# Altium PCB Antenna_base.PcbDoc (part 2 of 2)
Units mil, origin at the board's own origin, x right, y up, seen from the top; angles counter-clockwise.
Board outline 3490.39 x 2465.23 mil, 2 copper layers (Top Layer, Bottom Layer); 106 components, 91 nets, 416 pads, 109 vias.
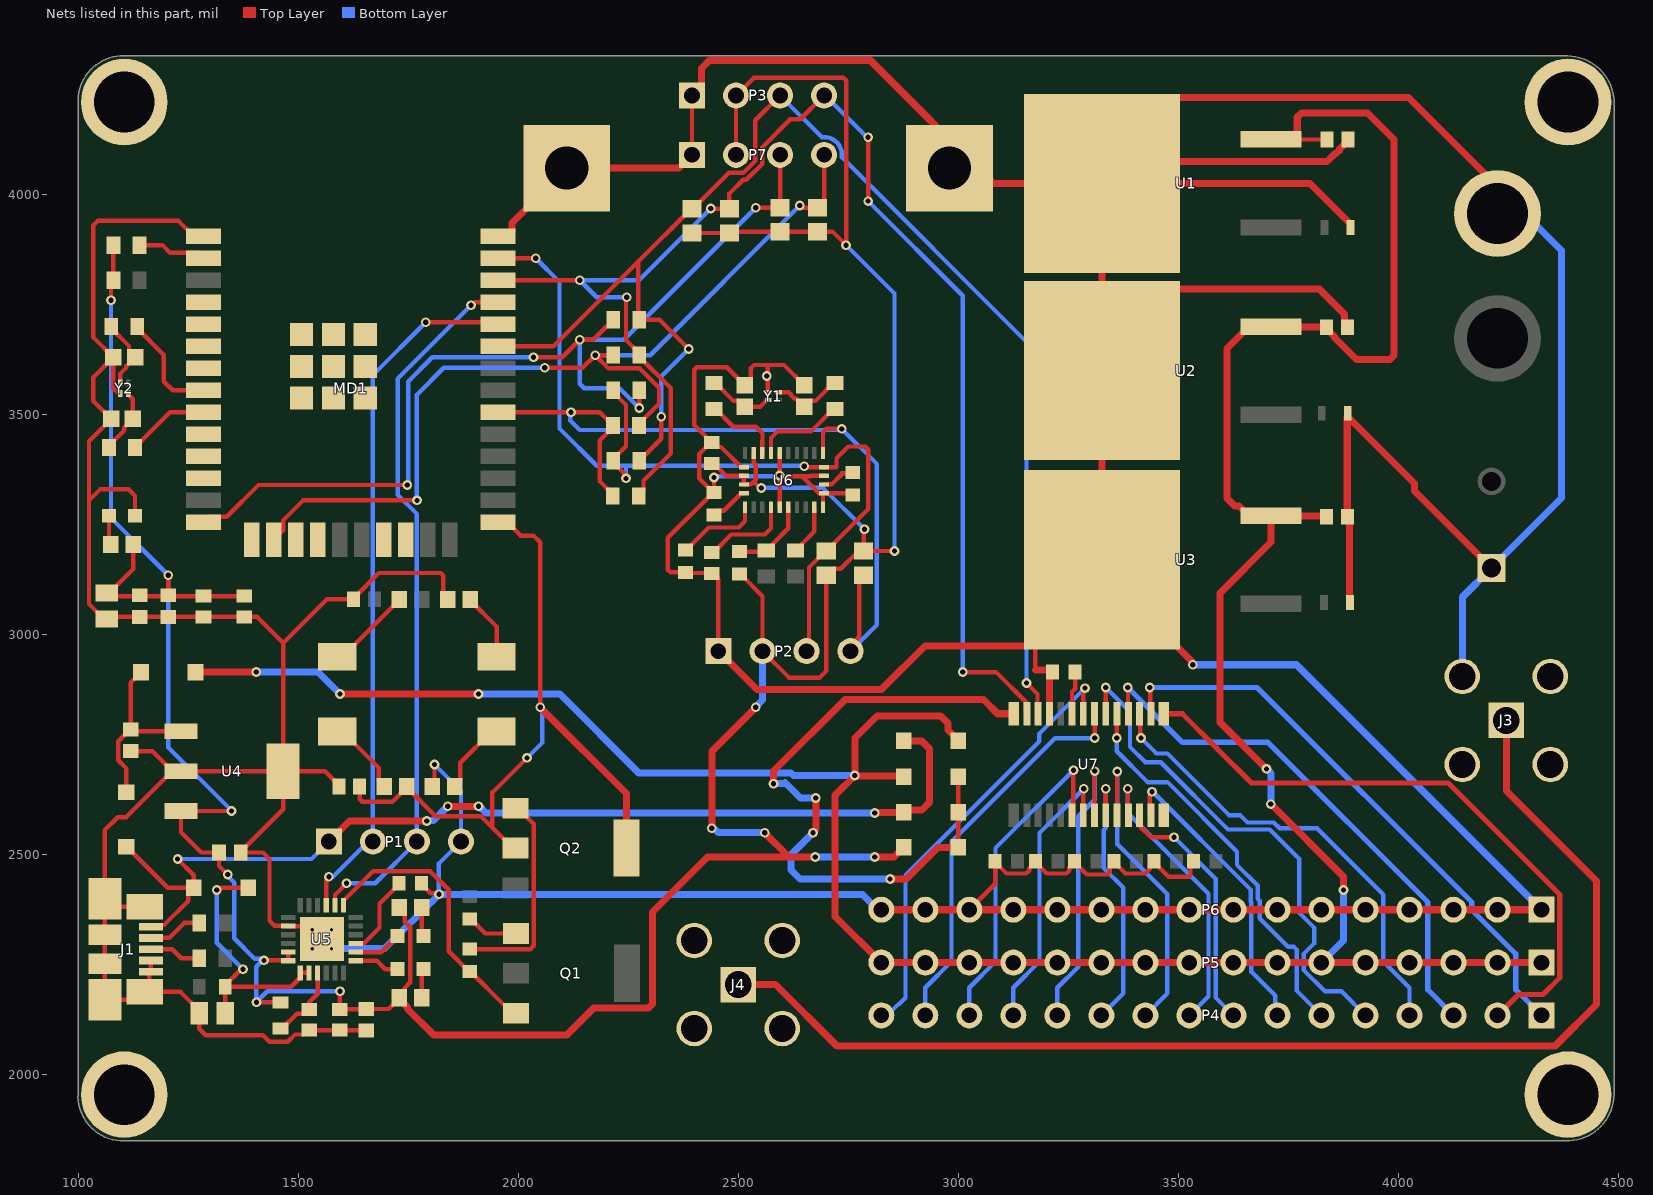
[diagram p2: the nets of this part, all layers, seen from the top]

## Via types
v1: diameter 22, hole 12, Top Layer to Bottom Layer, 105 vias
v2: diameter 19.68, hole 7.87, Top Layer to Bottom Layer, 4 vias

## Nets (pads, with @x,y where several pads share a name; then routed paths per layer and width w, separated by ;. In a path a pad name is that pad's centre, name@x,y a point inside that pad or via, vN(x,y) a via of type N, cw(c..) or ccw(c..) an arc to the next point about the centre after c; other vN are vias at no path point) (continued)
GND: C1.2 C2.1 C3.2 C4.1 C5.2 C6.1 C7.1 C8.1 C9.2 C10.2 C11.1 C12.2 C13.2 C14.2 C15.1 C16.1 C17.2 C22.1 C23.1 C24.1 C25.2 C26.2 C27.1 C28.1 C29.1 D8.1 J1.4 J1.5 J1.6 J1.7 J1.8 J1.9 J1.10 J1.11 J2.1 J3.2 J3.3 J3.4 J3.5 J4.2 J4.3 J4.4 J4.5 J5.1 MD1.1 MD1.15 MD1.38 MD1.39 P1.4 P2.1 P3.1 P6.1 P6.2 P6.3 P6.4 P6.5 P6.6 P6.7 P6.8 P6.9 P6.10 P6.11 P6.12 P6.13 P6.14 P6.15 P6.16 P7.1 pad.C1 pad.C2 pad.C3 pad.C4 pad.LED0 pad.LED1 R10.1 R11.1 R17.1 R18.1 R19.1 R24.2 R25.2 R26.2 R27.2 R28.2 R29.2 R30.2 R45.2 U1.4 U2.4 U3.4 U4.2 U4.4 U5.2 U5.25 U6.2 U6.10 U6.15 U6.16 U6.18 U6.25 U7.14 U7.25 Y1.2 Y2.2 | length 21591.5
  Top Layer w10: Y2.2@1096.14,3548.19 1096.14,3550.98 1096.06,3551.06 1088.54,3551.06 1080.14,3559.46 1080.14,3587.79 1080.31,3587.97 C27.1@1080.31,3630 ; pad.C3@1105,1955 pad.C3@1128.43,1978.43 ; C8.1@1120,2735.39 1168.78,2735.39 U4.2@1214.17,2690 ; D8.1@1129.53,3270 1129.53,3315.47 1115,3330 1050,3330 1025,3305 ; J1.6@1151.5,2382.2 1078.66,2382.2 J1.8@1060.94,2399.92 ; J1.4@1165.67,2259.67 J1.5@1165.67,2234.07 1161.81,2230.22 1161.81,2198.62 J1.7@1151.5,2188.31 ; C26.2@1285,3040 C26.2@1285,3040.43 ; MD1.1@1285,3905 1263.35,3905 1228.35,3940 1045,3940 1035,3930 1035,3675.31 C27.1@1080.31,3630 ; U5.25@1554.21,2308.23 v2(1532.56,2329.88) 1524.69,2337.76 U5.2@1477.44,2337.76 1476.54,2338.66 1446.34,2338.66 1435,2350 1435,2490 1420,2505 C7.1@1369.61,2505 1369.61,2506.97 1466.14,2603.5 U4.4@1466.14,2690 ; C13.2@1592.56,2655 1592.56,2657.95 1560.51,2690 U4.4@1466.14,2690 ; C11.1@1655,2100.39 1654.02,2101.38 C10.2@1595,2101.38 C9.2@1525,2101.38 1515.24,2091.61 1493.19,2091.61 1476.58,2075 1435,2075 1420,2090 1290,2090 1275.47,2104.53 C29.1@1275.47,2140 1275.47,2145.91 1233.07,2188.31 J1.7@1151.5,2188.31 ; R45.2@1780.59,2435 1780.59,2433.03 1801.33,2412.3 1817.7,2412.3 v1(1820,2410) ; R11.1@1804.41,2655 1810,2660.59 v1(1810,2705) ; R10.1@1840,3080 1830,3090 1830,3134.14 1824.14,3140 1683.43,3140 1626.38,3082.95 C12.2@1626.38,3080 1565,3080 1466.14,2981.14 ; P7.1@2395,4090 P3.1@2395,4225 ; v1(2445,3357.17) R19.1@2445,3323.15 R19.1@2443.03,3323.15 ; P2.1@2455,2962.56 2455,3126.89 2441.73,3140.16 2381.22,3140.16 R17.1@2380,3141.38 2346.06,3141.38 2340,3147.44 2340,3220.12 R19.1@2443.03,3323.15 ; U6.2@2512.85,3380.57 2506.61,3380.57 2460.77,3426.42 2449.76,3426.42 C14.2@2440,3436.18 C14.2@2437.05,3436.18 ; Y1.2@2568.19,3550.83 2566.67,3550.83 2566.59,3550.91 2566.59,3585.97 v1(2565,3587.56) 2567.3,3589.86 2567.3,3609.92 2569.94,3612.56 ; U6.10@2594.05,3289.53 2593.98,3289.61 v1@2593.98,3361.4 ; U6.25@2594.05,3412.56 2594.05,3362.07 v1(2593.68,3361.69) v1@2593.98,3361.4 ; C15.1@2650,3566.58 2604.02,3612.56 2569.94,3612.56 ; U6.15@2692.48,3289.53 2692.48,3321.44 2692.56,3321.52 U6.16@2694.94,3321.52 ; U6.18@2694.94,3360.89 2665.06,3360.89 2664.45,3360.27 2644.63,3360.27 ; R18.1@2760,3316.85 2755.41,3321.44 2695.02,3321.44 U6.16@2694.94,3321.52 ; P6.14@3035,2375 3035,2385 3083.82,2433.82 R25.2@3083.82,2483.03 ; R25.2@3083.82,2485 R25.2@3083.82,2483.03 ; R26.2@3175,2485 R26.2@3175,2483.03 ; 3175,2920 U3.4@3175,2992.05 ; U3.4@3250.69,3094.31 U3.4@3326.38,3170 ; R27.2@3263.82,2485 R27.2@3263.82,2483.03 ; R30.2@3534.41,2485 3527.41,2478 3527.41,2453.27 3524.14,2450 3477.44,2450 3444.41,2483.03 R29.2@3444.41,2485 3434.65,2475.24 3434.65,2467.59 3424.32,2457.27 3379.58,2457.27 3353.82,2483.03 R28.2@3353.82,2485 3344.06,2475.24 3344.06,2459.91 3339.14,2455 3291.85,2455 R27.2@3263.82,2483.03 ; 1025,3305 1025,3439.61 C28.1@1075.39,3490 1035,3530.39 1035,3584.69 C27.1@1080.31,3630 ; 1025,3305 1025,3069.57 1059.09,3035.47 C24.1@1065,3035.47 1069.96,3040.43 C26.2@1285,3040.43 ; J1.8@1060.94,2399.92 J1.9@1060.94,2318.23 J1.10@1060.94,2252.28 J1.11@1060.94,2170.59 1133.78,2170.59 J1.7@1151.5,2188.31 ; J1.8@1060.94,2399.92 1060.94,2555.94 1090,2585 1109.17,2585 U4.2@1214.17,2690 ; U4.2@1214.17,2690 U4.2@1233.86,2690 U4.4@1466.14,2690 ; C26.2@1285,3040.43 C25.2@1377.87,3040.43 1406.85,3040.43 1466.14,2981.14 ; U4.4@1466.14,2690 1466.14,2981.14 ; C14.2@2437.05,3436.18 2411.28,3410.42 2411.28,3354.9 R19.1@2443.03,3323.15 ; C14.2@2437.05,3436.18 2427.28,3445.95 2427.28,3448.9 2400,3476.18 2400,3601.58 2405.86,3607.44 2474.14,3607.44 C16.1@2515,3566.58 2528.7,3580.28 2528.7,3605.4 2535.86,3612.56 2569.94,3612.56 ; v1@2593.98,3361.4 2595.1,3360.27 2644.63,3360.27 ; 2644.63,3360.27 2644.63,3359.71 2682.75,3321.59 2694.86,3321.59 U6.16@2694.94,3321.52 ; R25.2@3083.82,2483.03 3109.58,2457.27 3154.32,2457.27 3160.76,2463.71 3160.76,2468.8 R26.2@3175,2483.03 ; R26.2@3175,2483.03 3200.76,2457.27 3245.5,2457.27 3251.94,2463.71 3251.94,2471.16 R27.2@3263.82,2483.03
  Top Layer w16: MD1.38@1954.29,3905 1975.95,3905 1985.66,3914.72 1985.66,3935.66 pad.LED0@2110,4060 2365,4060 P7.1@2395,4090 ; P3.1@2395,4225 2416.53,4246.53 2416.53,4286.53 2435,4305 2800,4305 3080,4025 U1.4@3326.38,4025 ; P2.1@2455,2962.56 2542.56,2875 2825,2875 2924.26,2974.26 3157.21,2974.26 3175,2992.05 3250.69,3067.74 U3.4@3250.69,3094.31 ; P6.16@2825,2375 P6.15@2925,2375 P6.14@3025,2375 3035,2375 P6.13@3125,2375 P6.12@3225,2375 P6.11@3325,2375 P6.10@3425,2375 P6.9@3525,2375 P6.8@3625,2375 P6.7@3725,2375 P6.6@3825,2375 P6.5@3925,2375 P6.4@4025,2375 P6.3@4125,2375 P6.2@4225,2375 P6.1@4325,2375 ; 3175,2920 R24.2@3214.41,2920 ; U7.25@3206.92,2820.44 U7.25@3207.05,2820.32 3207.05,2905.67 3214.41,2913.03 R24.2@3214.41,2915 ; v1(3532.77,2931.66) 3531.62,2932.81 3531.62,2938.18 3326.38,3143.43 U3.4@3326.38,3170 U2.4@3326.38,3600 U2.4@3326.38,3615.83 ; C3.2@3883.62,3698.27 3876.86,3705.03 3876.86,3728.14 3820,3785 3495.54,3785 U2.4@3326.38,3615.83 ; C4.1@3884.53,3503.27 C4.1@3884.53,3495.39 ; C1.2@3885,4125 3885,4122.05 3866.52,4103.57 3866.52,4101.48 3858.32,4093.28 3856.24,4093.28 3837.95,4075 3376.38,4075 U1.4@3326.38,4025 ; C6.1@3890,3073.27 3889.14,3074.13 3889.14,3262.75 C5.2@3883.62,3268.27 3883.62,3494.49 C4.1@3884.53,3495.39 ; C2.1@3890.91,3925 3890.91,3932.87 3798.78,4025 U1.4@3326.38,4025 ; J2.1@4226.38,4016.73 4023.11,4220 3495.54,4220 3326.38,4050.83 U1.4@3326.38,4025 ; J5.1@4234.87,3174.91 J5.1@4211.38,3151.42 4036.63,3326.16 4036.63,3343.29 C4.1@3884.53,3495.39 ; U2.4@3326.38,3615.83 U1.4@3326.38,4025
  Bottom Layer w10: v1(1810,2705) 1870,2645 P1.4@1870,2530 1820,2480 v1(1820,2410) ; v1(2445,3357.17) 2447.26,3359.43 2591.42,3359.43 v1(2593.68,3361.69)
  Bottom Layer w16: v2(1575.87,2286.57) 1696.57,2286.57 v1(1820,2410) 2782,2410 2817,2375 P6.16@2825,2375 ; v1(3532.77,2931.66) 3768.34,2931.66 P6.1@4325,2375 ; J3.4@4145,2905 4145,3085.04 J5.1@4211.38,3151.42 4370,3310.04 4370,3873.11 J2.1@4226.38,4016.73
  other v2: 1532.56,2286.57 1575.87,2329.88
I2C_SCL: MD1.37 P2.3 R13.1 R34.1 R36.1 U6.19 | length 2049.7
  Top Layer w10: MD1.37@1954.29,3855 v1(2040,3855) ; R36.1@2215.94,3555 2215.94,3551.06 2245,3522.01 2245,3427.99 2215.94,3398.94 R34.1@2215.94,3395 2215.94,3391.06 2242.7,3364.3 2242.7,3357.3 v1(2245,3355) ; v1(2650,3382.27) 2651.7,3380.57 U6.19@2694.94,3380.57 2723.13,3380.57 2723.13,3400.57 2750,3427.44 2789.14,3427.44 2795,3421.58 2795,3285 2716.65,3206.65 2716.65,3204.69 2701.97,3190 R13.1@2700,3190 2698.03,3190 2660.69,3152.66 2660.69,2968.24 P2.3@2655,2962.56
  Bottom Layer w10: v1(2040,3855) 2094,3801 2094,3468.37 2178.68,3383.69 2245,3383.69 ; v1(2245,3355) 2245,3383.69 ; v1(2650,3382.27) 2648.58,3383.69 2245,3383.69
I2C_SCL2: MD1.33 P3.3 R23.1 R34.2 R38.2 U7.26 | length 3160
  Top Layer w10: MD1.33@1954.29,3655 2080.47,3655 2270.24,3844.76 ; R34.2@2275,3395 2325,3445 v1(2325,3495) ; v1(2387.44,3649.15) 2321.12,3715.47 R38.2@2275,3715.47 2272.62,3717.85 2272.62,3842.38 2270.24,3844.76 ; P3.3@2595,4225 2538.47,4168.47 2538.47,4076.16 2511.79,4049.47 2478.88,4049.47 2396.97,3967.56 R23.1@2395,3967.56 2393.03,3967.56 2270.24,3844.76 ; v1(3155,2890) 3179.86,2865.14 3179.86,2821.91 U7.26@3181.46,2820.32
  Bottom Layer w10: v1(2325,3495) 2325,3586.7 v1(2387.44,3649.15) ; P3.3@2595,4225 2689.49,4130.51 2693.63,4130.51 2693.78,4130.51 cw(c2695,4090) 2735.52,4089.12 2735.51,4088.68 ; 2735.51,4088.63 2735.51,4084.49 3155,3665 v1(3155,2890)
I2C_SCL3: MD1.14 P7.3 R32.1 R36.2 R38.1 | length 2257.4
  Top Layer w10: MD1.14@1285,3255 1297.72,3267.72 1337.72,3267.72 1410,3340 v1(1748,3340) ; v1(2035,3630) 2100,3630 v1(2140,3670) 2170.47,3670 2201.26,3700.79 2205.2,3700.79 2215.94,3711.53 R38.1@2215.94,3715.47 ; v1(2275,3515) R36.2@2275,3555 ; v1(2540,3970) 2594.88,3970 R32.1@2595,3970.12 P7.3@2595,4090
  Bottom Layer w10: v1(1748,3340) 1750,3342 1750,3575 1805,3630 v1(2035,3630) ; v1(2275,3515) 2230,3560 2150,3560 2140,3570 v1(2140,3670) 2240,3670 v1(2540,3970)
I2C_SDA: MD1.30 P2.4 R12.1 R33.1 R35.1 U6.20 | length 1947.9
  Top Layer w10: MD1.30@1954.29,3505 v1(2120,3505) 2185.47,3505 2200.79,3489.69 2204.72,3489.69 2215.47,3478.94 R35.1@2215.47,3475 2215.47,3471.06 2185,3440.59 2185,3348.94 2215,3318.94 R33.1@2215,3315 ; U6.20@2692.48,3412.56 2692.48,3420.77 2692.56,3420.85 2692.48,3420.85 2692.48,3459.92 2700,3467.44 v1(2735,3467.44) ; P2.4@2758.35,2965.91 P2.4@2755,2962.56 2755,2975.83 2775,2995.83 R12.1@2775,3134.88
  Bottom Layer w10: v1(2120,3505) 2118.38,3503.38 2118.38,3486.62 2140,3465 2724.07,3465 2724.22,3465.14 2732.7,3465.14 v1(2735,3467.44) 2815,3387.44 2815,3022.56 P2.4@2755,2962.56
I2C_SDA2: MD1.36 P3.4 R22.1 R33.2 R37.2 U7.27 | length 3247.1
  Top Layer w10: MD1.36@1954.29,3805 v1(2140,3805) ; v1(2246.47,3766.75) 2245,3765.28 2245,3669.41 2275,3639.41 R37.2@2275,3635.47 2275,3631.53 2347,3559.53 2347,3412 2284.8,3349.8 2284.8,3325.75 R33.2@2274.06,3315 ; v1(2437.59,3968.02) 2438.05,3967.56 R22.1@2480,3967.56 2480,4002.25 2511.23,4033.47 2518.41,4033.47 2554.47,4069.53 2554.47,4106.79 2618.39,4170.7 2640.7,4170.7 P3.4@2695,4225 ; v1(2795,3985) v1(2795,4130) ; v1(3010,2915) 3085.6,2915 3152.99,2847.6 3152.99,2823.19 U7.27@3155.87,2820.32
  Bottom Layer w10: v1(2246.47,3766.75) 2178.25,3766.75 v1(2140,3805) 2274.56,3805 v1(2437.59,3968.02) ; P3.4@2695,4225 2697.5,4225 2792.5,4130 v1(2795,4130) ; v1(2795,3985) 3010,3770 v1(3010,2915)
I2C_SDA3: MD1.16 P7.4 R31.1 R35.2 R37.1 | length 2153.7
  Top Layer w10: MD1.16@1444.65,3215.63 1465.93,3236.91 1465.93,3259.56 1511.37,3305 v1(1770,3305) ; v1(2060.48,3606.15) 2146.15,3606.15 v1(2175,3635) ; R37.1@2215.94,3635.47 2215.47,3635 v1(2175,3635) ; R35.2@2274.53,3475 2274.53,3478.94 2320,3524.41 2320,3560.99 2276.2,3604.79 2205.21,3604.79 v1(2175,3635) ; v1(2640,3975) 2644.88,3970.12 R31.1@2680,3970.12 2680.31,3970.12 2695,3984.81 P7.4@2695,4090
  Bottom Layer w10: v1(1770,3305) 1770,3545 1831.15,3606.15 v1(2060.48,3606.15) ; v1(2175,3635) 2300,3635 v1(2640,3975)
IO0: C13.1 MD1.25 Q2.2 R9.2 | length 1670.8
  Top Layer w10: C13.1@1639.8,2655 1639.8,2626.47 1645.66,2620.61 1714.35,2620.61 R9.2@1746.77,2653.03 ; R9.2@1746.77,2655 R9.2@1746.77,2653.03 ; MD1.25@1954.29,3255 1975.95,3255 2005.95,3225 2035,3225 2050,3210 v1(2050,2835) ; Q2.2@1994.02,2515 1988.11,2515 1941.56,2561.55 ; v1(2020,2720) 1941.56,2641.55 1941.56,2561.55 ; R9.2@1746.77,2653.03 1812.83,2586.97 1916.14,2586.97 1941.56,2561.55
  Top Layer w16: v1(2050,2835) 2245.98,2639.02 Q2.2@2245.98,2515
  Bottom Layer w10: v1(2020,2720) 2055,2755 2055,2830 v1(2050,2835)
IO25: MD1.10
IO26: MD1.11
IO27: MD1.12
IO32: MD1.8 R41.1 | length 266.3
  Top Layer w10: R41.1@1134.53,3700 1134.53,3696.06 1195,3635.59 1195,3575 1215,3555 MD1.8@1285,3555 MD1.8@1272.28,3567.72
IO33: MD1.9 R42.1 | length 205.5
  Top Layer w10: R42.1@1129.06,3425 1129.06,3428.94 1139.8,3439.69 1143.74,3439.69 1209.06,3505 MD1.9@1285,3505 MD1.9@1275,3495
IO34: MD1.6
IO35: MD1.7
LED0: P4.14 U7.6 | length 758.4
  Top Layer w10: U7.6@3258.23,2590 3261.49,2593.27 v1(3261.49,2692.03)
  Bottom Layer w10: P4.14@3025,2135 3025,2197.69 3084.47,2257.16 3084.47,2515.01 v1(3261.49,2692.03)
LED1: P4.13 U7.7 | length 641.8
  Top Layer w10: U7.7@3283.82,2590 3283.82,2648.82 v1(3285,2650)
  Bottom Layer w10: P4.13@3125,2135 3125,2197.69 3184.47,2257.16 3184.47,2549.47 v1(3285,2650)
LED2: P4.12 U7.8 | length 690.5
  Top Layer w10: U7.8@3309.41,2590 3309.41,2689.41 v1(3310,2690)
  Bottom Layer w10: P4.12@3225,2135 3225,2197.69 3272.19,2244.88 3272.19,2587.19 3310,2625 v1(3310,2690)
LED3: P4.11 U7.9 | length 616.4
  Top Layer w10: U7.9@3335,2590 v1(3335,2650)
  Bottom Layer w10: P4.11@3325,2135 3375,2185 3375,2425 3330,2470 3330,2555.88 3335,2560.88 v1(3335,2650)
LED4: P4.10 U7.10 | length 721
  Top Layer w10: U7.10@3360.59,2590 3360.59,2688.66 v1(3360.89,2688.96)
  Bottom Layer w10: v1(3360.89,2688.96) 3360.89,2524.11 3475,2410 3475,2185 P4.10@3425,2135
LED5: P4.9 U7.11 | length 669.5
  Top Layer w10: v1(3385,2650) 3385.59,2649.41 3385.59,2590.59 U7.11@3386.18,2590
  Bottom Layer w10: v1(3385,2650) 3385,2595 3568.47,2411.53 3568.47,2178.47 P4.9@3525,2135
LED6: P4.8 U7.12 | length 581.7
  Top Layer w10: U7.12@3411.77,2591.77 3410.89,2590.89 U7.12@3411.77,2590 3414.65,2587.13 3414.65,2562.71 3437.36,2540 v1(3490,2540)
  Bottom Layer w10: v1(3490,2540) 3584.47,2445.53 3584.47,2175.53 P4.8@3625,2135 P4.8@3630,2135
LED7: P4.7 U7.13 | length 671.9
  Top Layer w10: v1@3435.12,2633.76 3435.12,2592.24 U7.13@3437.36,2590
  Bottom Layer w10: v1(3440,2643) 3442,2643 3664,2421 3664,2393.31 3665.53,2391.79 3665.53,2234.47 3720.47,2179.53 3720.47,2139.53 P4.7@3725,2135
LED8: P4.2 U7.15 | length 1437.2
  Top Layer w10: U7.15@3465.95,2819.37 U7.15@3466.89,2820.32
  Top Layer w12: U7.15@3466.89,2820.32 3508.74,2820.32 3586.86,2742.2 3586.86,2741.94 3665.73,2663.07 4112.95,2663.07 4366.53,2409.5 4366.53,2220.5 4328.28,2182.25 4272.25,2182.25 P4.2@4225,2135
LED9: P4.1 U7.16 | length 1317.1
  Top Layer w10: v1(3435,2880) 3436.18,2878.82 3436.18,2821.5 U7.16@3437.36,2820.32
  Bottom Layer w12: v1(3435,2880) 3678.73,2880 4166.53,2392.2 4166.53,2374.74 4266.53,2274.74 4266.53,2193.47 P4.1@4325,2135
LED10: P4.4 U7.17 | length 1053.6
  Top Layer w10: U7.17@3411.77,2820.32 3413.39,2818.7 3413.39,2766.61 v1(3415,2765)
  Bottom Layer w10: v1(3415,2765) 3450,2730 3475,2730 3615,2590 3640.22,2590 3656.91,2573.3 3716.7,2573.3 3730,2560 3815,2560 3965.53,2409.47 3965.53,2257.16 4025,2197.69 P4.4@4025,2135
LED11: P4.3 U7.18 | length 1225.2
  Top Layer w10: v1(3385,2880) 3385.59,2879.41 3385.59,2820.91 U7.18@3386.18,2820.32
  Bottom Layer w12: v1(3385,2880) 3509.64,2755.36 3703.37,2755.36 4066.53,2392.2 4066.53,2193.47 P4.3@4125,2135
LED12: P4.6 U7.19 | length 912.2
  Top Layer w10: v1(3360,2765) 3360.3,2765.3 3360.3,2820.02 U7.19@3360.59,2820.32
  Bottom Layer w10: v1(3360,2765) 3360,2735 3430,2665 3475,2665 3633.17,2506.83 3633.17,2476.83 3680,2430 3680,2400 3684.47,2395.53 3684.47,2355.53 3749.52,2290.48 3762.61,2290.48 3768.47,2284.63 3768.47,2191.53 P4.6@3825,2135
LED13: P4.5 U7.20 | length 1166.7
  Top Layer w10: U7.20@3335,2820.32 v1(3335,2880)
  Bottom Layer w10: v1(3335,2880) 3385,2830 3385,2820 3390,2815 3390,2745 3425,2710 3460,2710 3612.7,2557.3 3707.7,2557.3 3774.11,2490.89 3774.11,2368.58 3808.21,2334.47 3808.21,2298.21 3784.47,2274.47 3784.47,2238.21 3832.99,2189.69 3870.31,2189.69 P4.5@3925,2135
LED14: P4.15 U7.21 | length 897.8
  Top Layer w10: U7.21@3309.41,2820.32 3309.7,2820.02 3309.7,2765.3 v1(3310,2765)
  Bottom Layer w10: P4.15@2925,2135 2925,2197.69 2984.47,2257.16 2984.47,2529.47 3220,2765 v1(3310,2765)
LED15: P4.16 U7.22 | length 1003.7
  Top Layer w10: U7.22@3283.82,2820.32 3283.82,2874.77 v1(3287.59,2878.54)
  Bottom Layer w10: P4.16@2825,2135 2838.27,2135 2862.97,2159.69 2864.69,2159.69 2880,2175 2880,2453.38 3184.2,2757.58 3184.2,2775.16 v1(3287.59,2878.54)
NetC8_2: C8.2 D1.1 D2.1 U4.1 | length 419.6
  Top Layer w10: D2.1@1110,2642.01 1110,2695.85 1091.28,2714.57 1091.28,2757.86 1118.03,2784.61 C8.2@1120,2784.61 ; D1.1@1142.99,2915 1142.99,2914.02 1120,2891.02 C8.2@1120,2784.61 ; U4.1@1233.86,2780.55 1122.09,2780.55 C8.2@1120,2784.61
NetC9_1: C9.1 R44.1 U5.9 | length 161.5
  Top Layer w10: R44.1@1460,2105.47 1463.94,2105.47 1497.32,2138.86 1512.28,2138.86 1522.05,2148.62 1522.05,2151.57 C9.1@1525,2148.62 ; 1525,2165 1544.37,2184.37 U5.9@1544.37,2231.46
NetC15_2: C15.2 R20.2 Y1.1 | length 165.4
  Top Layer w10: Y1.1@2591.81,3550.83 2614.44,3550.83 2620.3,3544.97 2620.3,3543.32 2626.74,3536.87 2630.49,3536.87 C15.2@2650,3517.36 2663.7,3531.06 2675.63,3531.06 2716.06,3571.5 R20.2@2720,3571.5
NetC16_2: C16.2 R21.2 Y1.3 | length 152.1
  Top Layer w10: R21.2@2445,3571.5 2448.94,3571.5 2489.37,3531.06 2501.3,3531.06 C16.2@2515,3517.36 2549.65,3517.36 2565.39,3533.11 Y1.3@2568.19,3533.11
NetC17_1: C17.1 U6.9 | length 205.1
  Top Layer w10: C17.1@2440,3186.18 2442.95,3186.18 2484.21,3227.44 2560,3227.44 2574.37,3241.81 U6.9@2574.37,3289.53
NetC27_2: C27.2 R41.2 Y2.1 | length 164.4
  Top Layer w10: R41.2@1075.47,3700 1075.47,3696.06 1115.83,3655.71 1115.83,3643.7 C27.2@1129.53,3630 1110.02,3610.49 1110.02,3606.74 1096.31,3593.04 1096.31,3581.34 1096.22,3581.24 1096.22,3571.89 Y2.1@1096.14,3571.81
NetC28_2: C28.2 R42.2 Y2.3 | length 150.3
  Top Layer w10: R42.2@1070,3425 1070,3428.94 1105.09,3464.03 1105.09,3470.49 C28.2@1124.61,3490 1124.61,3534.65 1113.86,3545.39 Y2.3@1113.86,3548.19
NetD4_1: D4.1 D5.1 D6.1 U7.28 | length 1533.4
  Top Layer w10: D4.1@2999.72,2516.82 D5.1@2999.72,2596.82 D6.1@2999.72,2676.82
  Top Layer w16: v1(2580,2661) 2580,2690 2743,2853 3057,2853 3089.68,2820.32 U7.28@3126.34,2820.32 ; v1(2670,2550) 2670,2551.62 2676.27,2557.89 v1(2676.27,2628.87) ; v1(2845,2445) 2882.4,2445 2954.22,2516.82 D4.1@2999.72,2516.82
  Bottom Layer w16: v1(2580,2661) 2581.15,2662.15 2604.15,2662.15 2606,2664 2641.13,2628.87 v1(2676.27,2628.87) ; v1(2670,2550) 2620,2500 2620,2465 2640,2445 v1(2845,2445)
NetD8_2: D8.2 R43.2 | length 66.6
  Top Layer w10: D8.2@1070.47,3270 1070.47,3208.94 R43.2@1074.41,3205
NetD9_1: D9.1 U5.14 | length 109.5
  Top Layer w10: U5.14@1630.98,2278.7 1689.17,2278.7 D9.1@1725.47,2315
NetD9_2: D9.2 R1.2 | length 66.4
  Top Layer w10: R1.2@1781.18,2380 1781.18,2318.35 D9.2@1784.53,2315
NetD10_1: D10.1 U5.13 | length 102.4
  Top Layer w10: U5.13@1630.98,2259.02 1679.02,2259.02 1698.03,2240 D10.1@1725.47,2240
NetD10_2: D10.2 R4.2 | length 66.6
  Top Layer w10: R4.2@1780.59,2175 1780.59,2236.06 D10.2@1784.53,2240
NetJ1_2: J1.2 R2.2 | length 123.9
  Top Layer w10: J1.2@1165.67,2310.85 1166.23,2311.41 1207.83,2311.41 1241.43,2345 R2.2@1275.47,2345
NetJ1_3: J1.3 R3.2 | length 118.2
  Top Layer w10: J1.3@1165.67,2285.26 1214.22,2285.26 1234.48,2265 R3.2@1275.47,2265
NetJ3_1: J3.1 J4.1 | length 2777.3
  Top Layer w16: J4.1@2500,2205 2585,2205 2725,2065 4355,2065 4450,2160 4450,2440 4245,2645 J3.1@4245,2805
NetMD1_2: MD1.2 R39.2 | length 157.9
  Top Layer w10: R39.2@1139.53,3885 1191.81,3885 1209.09,3867.72 1272.28,3867.72 MD1.2@1285,3855
NetQ1_1: Q1.1 R6.2 | length 118.8
  Top Layer w10: R6.2@1890,2354.41 1891.97,2354.41 1925.28,2321.1 Q1.1@1995,2321.1
NetQ2_1: Q2.1 R7.2 | length 481.8
  Top Layer w10: R7.2@1890,2285.59 2028.19,2285.59 2035.53,2292.92 2035.53,2569.94 1999.92,2605.55 Q2.1@1994.02,2605.55
NetR8_1: R8.1 SW1.1 | length 195.3
  Top Layer w10: SW1.1@1589.09,2950 1600.91,2950 1716.22,3065.31 1716.69,3065.31 1729.41,3078.03 R8.1@1729.41,3080
NetR9_1: R9.1 SW2.1 | length 176
  Top Layer w10: SW2.1@1589.09,2780 1600.91,2780 1682.87,2698.03 1682.87,2667.72 R9.1@1695.59,2655
NetR10_2: R10.2 SW1.2 | length 154.7
  Top Layer w10: R10.2@1891.18,3080 1891.18,3078.03 1950.91,3018.31 SW1.2@1950.91,2950
NetR11_2: R11.2 SW2.2 | length 171.2
  Top Layer w10: R11.2@1855.59,2655 1868.31,2667.72 1868.31,2708.82 1939.49,2780 SW2.2@1950.91,2780
NetR14_1: R14.1 R16.2 U6.11 | length 183
  Top Layer w10: R14.1@2502.87,3188.74 2560.81,3188.74 R16.2@2563.56,3191.5 2567.5,3191.5 2578.25,3202.25 2578.25,3206.18 2613.74,3241.67 U6.11@2613.74,3289.53
NetR15_1: R15.1 U6.14 | length 118.1
  Top Layer w10: R15.1@2630,3191.5 2633.94,3191.5 2644.69,3202.25 2644.69,3206.18 2672.79,3234.29 U6.14@2672.79,3289.53
NetR18_2: R18.2 U6.17 | length 77.5
  Top Layer w10: U6.17@2694.94,3341.2 2695.02,3341.28 2711.99,3341.28 2735,3364.29 2735,3366.58 2758.55,3366.58 R18.2@2760,3368.03
NetR24_1: R24.1 U7.23 | length 102.7
  Top Layer w10: U7.23@3258.23,2820.32 3258.23,2869.96 3265.59,2877.32 R24.1@3265.59,2920
NetR45_1: R45.1 U5.15 | length 188.2
  Top Layer w10: U5.15@1630.98,2298.39 1631.89,2299.29 1650.4,2299.29 1685.02,2333.91 1685.02,2388.64 1729.41,2433.03 R45.1@1729.41,2435
PS0: R17.2 U6.6 | length 194.1
  Top Layer w10: R17.2@2380,3192.56 2381.97,3192.56 2432.85,3243.44 2501,3243.44 2515.31,3257.76 U6.6@2515.31,3289.53
PS1: R19.2 U6.5 | length 88.4
  Top Layer w10: R19.2@2445,3271.97 2454.76,3281.73 2466.83,3281.73 2506.61,3321.52 U6.5@2512.85,3321.52
PWM_VDD: C1.1 C3.1 C5.1 D1.2 D6.2 D7.1 P5.1 P5.2 P5.3 P5.4 P5.5 P5.6 P5.7 P5.8 P5.9 P5.10 P5.11 P5.12 P5.13 P5.14 P5.15 P5.16 U1.3 U2.3 U3.3 | length 7211.6
  Top Layer w10: U1.3@3710.24,4125 3759.3,4125 C1.1@3837.76,4125
  Top Layer w16: D1.2@1267.01,2915 v1(1405,2915) ; v1(1595,2865) v1(1910,2865) ; D6.2@2875.7,2676.82 2873.67,2678.85 2766.15,2678.85 v1(2765,2680) ; D7.1@3000.15,2758.82 3000.15,2759.8 2976.3,2783.65 2976.3,2798.7 2964.99,2810.01 2960,2815 2815,2815 2765,2765 v1(2765,2680) ; v1(3700,2695) 3595,2800 3595,3095 3710.24,3210.24 U3.3@3710.24,3270 ; v1(3710,2615) 3875,2450 v1(3875,2420) ; U1.3@3759.3,4125 3770,4135.7 3770,4175.63 3779.37,4185 3930,4185 3990,4125 3990,3634.37 3980.63,3625 3904.61,3625 3854.46,3675.16 3854.46,3677.24 3836.38,3695.32 C3.1@3836.38,3698.27 3835.51,3699.13 3711.1,3699.13 U2.3@3710.24,3700 3660.04,3700 3610,3649.96 3610,3310 3627.99,3292.01 3638.02,3292.01 3660.04,3270 U3.3@3710.24,3270 ; C5.1@3836.38,3268.27 3835.51,3269.13 3711.1,3269.13 U3.3@3710.24,3270 ; P5.1@4325,2255 P5.2@4225,2255 P5.3@4125,2255 P5.4@4025,2255 P5.5@3925,2255 P5.6@3825,2255 P5.7@3725,2255 P5.8@3625,2255 P5.9@3525,2255 P5.10@3425,2255 P5.11@3325,2255 P5.12@3225,2255 P5.13@3125,2255 P5.14@3025,2255 P5.15@2925,2255 P5.16@2825,2255 2720,2360 2720,2635 v1(2765,2680)
  Bottom Layer w16: v1(1405,2915) 1545,2915 v1(1595,2865) ; v1(1910,2865) 2094.88,2865 2273.88,2686 2619.36,2686 2625.36,2680 v1(2765,2680) ; v1(3700,2695) 3710,2685 v1(3710,2615) ; P5.6@3825,2255 3875,2305 v1(3875,2420)
RTS: Q1.3 R7.1 U5.19 | length 645.9
  Top Layer w10: U5.19@1603.43,2385 1604.33,2385.91 1604.33,2396.73 1670.33,2462.73 1799.91,2462.73 1842,2420.64 1842,2280.44 1888.03,2234.41 R7.1@1890,2234.41 1891.97,2234.41 1967.76,2158.62 1976.38,2158.62 Q1.3@1995,2140
RXD0: MD1.34 P1.2 U5.21 | length 1609.9
  Top Layer w10: U5.21@1564.06,2385 1564.06,2444.06 v1(1570,2450) ; P1.2@1656.73,2530 P1.2@1670,2530 ; v1(1790,3710) 1949.29,3710 MD1.34@1954.29,3705
  Bottom Layer w10: v1(1570,2450) 1579.24,2450 1659.24,2530 P1.2@1670,2530 1670,3590 v1(1790,3710)
SD0: MD1.21
SD1: MD1.22
SD2: MD1.17
SD3: MD1.18
SENSOR_VN: MD1.5
SENSOR_VP: MD1.4
TXD0: MD1.35 P1.3 U5.20 | length 1632.6
  Top Layer w10: U5.20@1583.74,2385 1583.74,2408.74 v1(1610,2435) ; P1.3@1768.16,2528.16 P1.3@1770,2530 ; v1(1892.96,3748.34) 1896.21,3748.34 1902.87,3755 MD1.35@1954.29,3755
  Bottom Layer w10: v1(1610,2435) 1675,2435 P1.3@1770,2530 1770,3273.89 1726,3317.89 1726,3581.38 v1(1892.96,3748.34)
USB5V: C29.2 D3.1 R5.1 U5.7 U5.8 | length 607.8
  Top Layer w10: v1(1315,2420) 1318.25,2420 1323.25,2425 D3.1@1387.01,2425 ; C29.2@1334.53,2140 R5.1@1334.53,2200 ; v1(1375,2240) 1372.7,2237.7 1368.3,2237.7 1334.53,2203.94 R5.1@1334.53,2200 ; U5.8@1524.69,2231.46 U5.7@1505,2231.46 1505,2220.63 1484.37,2200 R5.1@1334.53,2200
  Bottom Layer w10: v1(1315,2420) 1315,2300 v1(1375,2240)
USB5V4: D2.2 D3.2 D5.2 D7.2 J1.1 P1.1 | length 2378.1
  Top Layer w10: D2.2@1110,2517.99 1110.98,2517.99 1203.98,2425 D3.2@1262.99,2425 ; J1.1@1165.67,2336.44 1169.53,2340.3 1195.52,2340.3 1250.28,2395.05 1250.28,2412.28 D3.2@1262.99,2425 ; v1(1226.23,2490.35) 1262.99,2453.59 D3.2@1262.99,2425
  Top Layer w16: P1.1@1570,2530 1616.69,2576.69 v1(1792,2576.69) ; v1(1840,2610) v1(1910,2610) ; v1(2810,2595) 2810.91,2595.91 2874.79,2595.91 D5.2@2875.7,2596.82 2880.67,2601.79 2917.42,2601.79 2935,2619.37 2935,2740 2916.18,2758.82 D7.2@2876.13,2758.82
  Bottom Layer w10: v1(1226.23,2490.35) 1530.35,2490.35 P1.1@1570,2530
  Bottom Layer w16: v1(1792,2576.69) 1793.15,2577.84 1807.84,2577.84 v1(1840,2610) ; v1(1910,2610) 1911.62,2610 1926.62,2595 v1(2810,2595)
VCC: C7.2 C10.1 C11.2 C14.1 C22.2 C23.2 C24.2 C25.1 C26.1 D4.2 P2.2 P3.2 P7.2 R1.1 R4.1 R12.2 R13.2 R14.2 R22.2 R23.2 R31.2 R32.2 R39.1 R40.2 R43.1 R44.2 U4.3 U5.5 U5.6 U6.3 U6.4 U6.28 | length 8636.2
  Top Layer w10: v1(1075,3760) 1075,3799.53 R40.2@1080.47,3805 R39.1@1080.47,3885 ; R43.1@1125.59,3205 1125.59,3149.21 1070.91,3094.53 C24.2@1065,3094.53 1071.85,3087.68 C25.1@1377.87,3087.68 ; C22.2@1205,3089.61 v1(1205,3135) ; v1(1340,2455) 1320.39,2474.61 C7.2@1320.39,2505 1280,2505 1233.86,2551.14 U4.3@1233.86,2599.45 v1(1348.53,2599.45) ; v1(1405.47,2164.53) R44.2@1460,2164.53 ; v1(1422.65,2259.92) 1476.54,2259.92 U5.6@1477.44,2259.02 U5.5@1477.44,2278.7 ; v1(1595,2190) C10.1@1595,2148.62 1654.02,2148.62 C11.2@1655,2149.61 1705.98,2149.61 R4.1@1729.41,2173.03 ; R4.1@1729.41,2175 1742.13,2187.72 1742.13,2197.13 1755,2210 1755,2335 1742.72,2347.28 1742.72,2367.28 R1.1@1730,2380 ; R23.2@2395,3912.44 R22.2@2480,3912.44 2482.56,3915 R32.2@2595,3915 R31.2@2680,3915 2715,3915 v1(2745,3885) 2745,4259.14 2738.61,4265.53 2535.53,4265.53 P3.2@2495,4225 P7.2@2495,4090 ; C14.1@2440,3388.94 2449.76,3379.17 2454.11,3379.17 2472.4,3360.89 U6.3@2512.85,3360.89 U6.4@2512.85,3341.2 2512.93,3341.28 2528.84,3341.28 2534.42,3346.86 ; R14.2@2502.87,3137.56 2504.84,3137.56 2555,3087.4 P2.2@2555,2962.56 2615.12,2902.44 2685,2902.44 2700,2917.44 R13.2@2700,3134.88 2714.68,3149.57 2732.6,3149.57 2773.03,3190 R12.2@2775,3190 ; U6.28@2535,3412.56 2535.08,3412.48 2535.08,3390.14 2540,3385.22 2540,3352.44 2534.42,3346.86 ; v1(2552.51,3333.33) 2549.26,3333.33 2535.73,3346.86 2534.42,3346.86 ; v1(2786.83,3239.17) 2785,3237.35 R12.2@2785,3190 v1(2855,3190)
  Top Layer w16: R4.1@1729.41,2175 1729.41,2173.03 1748.87,2153.57 1748.87,2149.52 1808.39,2090 2110,2090 2171.59,2151.59 2295.63,2151.59 2305,2160.96 2305,2370 2430,2495 2615,2495 ; v1(2440,2560) 2440,2735 v1(2540,2835) ; v1(2560,2550) 2615,2495 ; v1(2675,2495) 2615,2495 ; v1(2810,2495) 2853.88,2495 2865,2506.12 2865.99,2506.12 2875.7,2515.84 D4.2@2875.7,2516.82
  Bottom Layer w10: v1(1075,3760) 1075,3265 v1(1205,3135) 1205,2743.76 1348.53,2600.23 v1(1348.53,2599.45) ; v1(1340,2455) 1340,2451.75 1355,2436.75 1355,2310 1401.16,2263.84 1418.73,2263.84 v1@1421.03,2261.54 ; v1(1422.65,2259.92) v1@1421.03,2261.54 ; v1(1595,2190) 1430,2190 1405,2165 1405,2245.51 v1@1421.03,2261.54 ; v1(2552.51,3333.33) 2692.67,3333.33 v1(2786.83,3239.17) ; v1(2745,3885) 2855,3775 v1(2855,3190)
  Bottom Layer w16: v1(2440,2560) 2445,2560 2455,2550 v1(2560,2550) ; v1(2540,2835) 2540,2836.62 2555,2851.62 P2.2@2555,2962.56 ; v1(2675,2495) v1(2810,2495)
XIN32: R21.1 U6.27 | length 177.9
  Top Layer w10: R21.1@2445,3512.44 2448.94,3512.44 2488.82,3472.56 2540,3472.56 2555,3457.56 2555,3441.08 2554.76,3440.85 2554.76,3412.64 U6.27@2554.68,3412.56
XOUT32: R20.1 U6.26 | length 207.1
  Top Layer w10: U6.26@2574.37,3412.56 2574.37,3446.93 2590,3462.56 2666.18,3462.56 2716.06,3512.44 R20.1@2720,3512.44
pads on no net: MD1.32 U5.1 U5.10 U5.11 U5.12 U5.16 U5.17 U5.18 U5.22 U5.24 U6.1 U6.7 U6.8 U6.12 U6.13 U6.21 U6.22 U6.23 U6.24 Y1.4 Y2.4

## Polygon pours and split planes (outlines as drawn)
GND on Top Layer "GND_L01_P000" (solid, pour order 0): 1000,4320 1005,4315 1005,1850 4485,1850 4505,1870 4505,4315 1000,4315
GND on Bottom Layer "GND_L02_P001" (solid, pour order 1): 1000,4315 1000,1845 4500,1845 4535,1880 4535,4315

## Silkscreen, mask and mechanical layers (free items; w line width, h text height)
Top Overlay:
  lines w10: 2005,3075 2005,3650.04 2005,4165 3085,4165 3085,3075 2440,3075 ; 2005,3075.04 2580,3075.04
Mechanical 1:
  lines w10: 999.61,1949.99 ccw(c1103.17,1953.36) 1104.99,1849.77 ; 1000,1953.36 1000,4215 cw(c1102.5,4212.5) 1105,4315 4380,4315 ; 1104.99,1850 4380,1850 ccw(c4382.5,1957.5) 4490,1955 4490,4205 ccw(c4382.5,4207.5) 4385,4315

## Dimensions
4385,4315 to 4380,1850 on Mechanical 6
1000,4215 to 4490,4205 on Mechanical 6

## Text inside footprints (layer, text, board x,y; h text height)
J1: Mechanical 6 "PCB EDGE" at 999.65,2568.72 h11.81 r270
J2: Top Overlay "-" at 4115,3890 h80 r270; Top Overlay "+" at 4105,3765 h80 r270